# EAGLE board Mk4 Final Panel 8up 2x4 (EAGLE 9.0.1), part 22 of 23
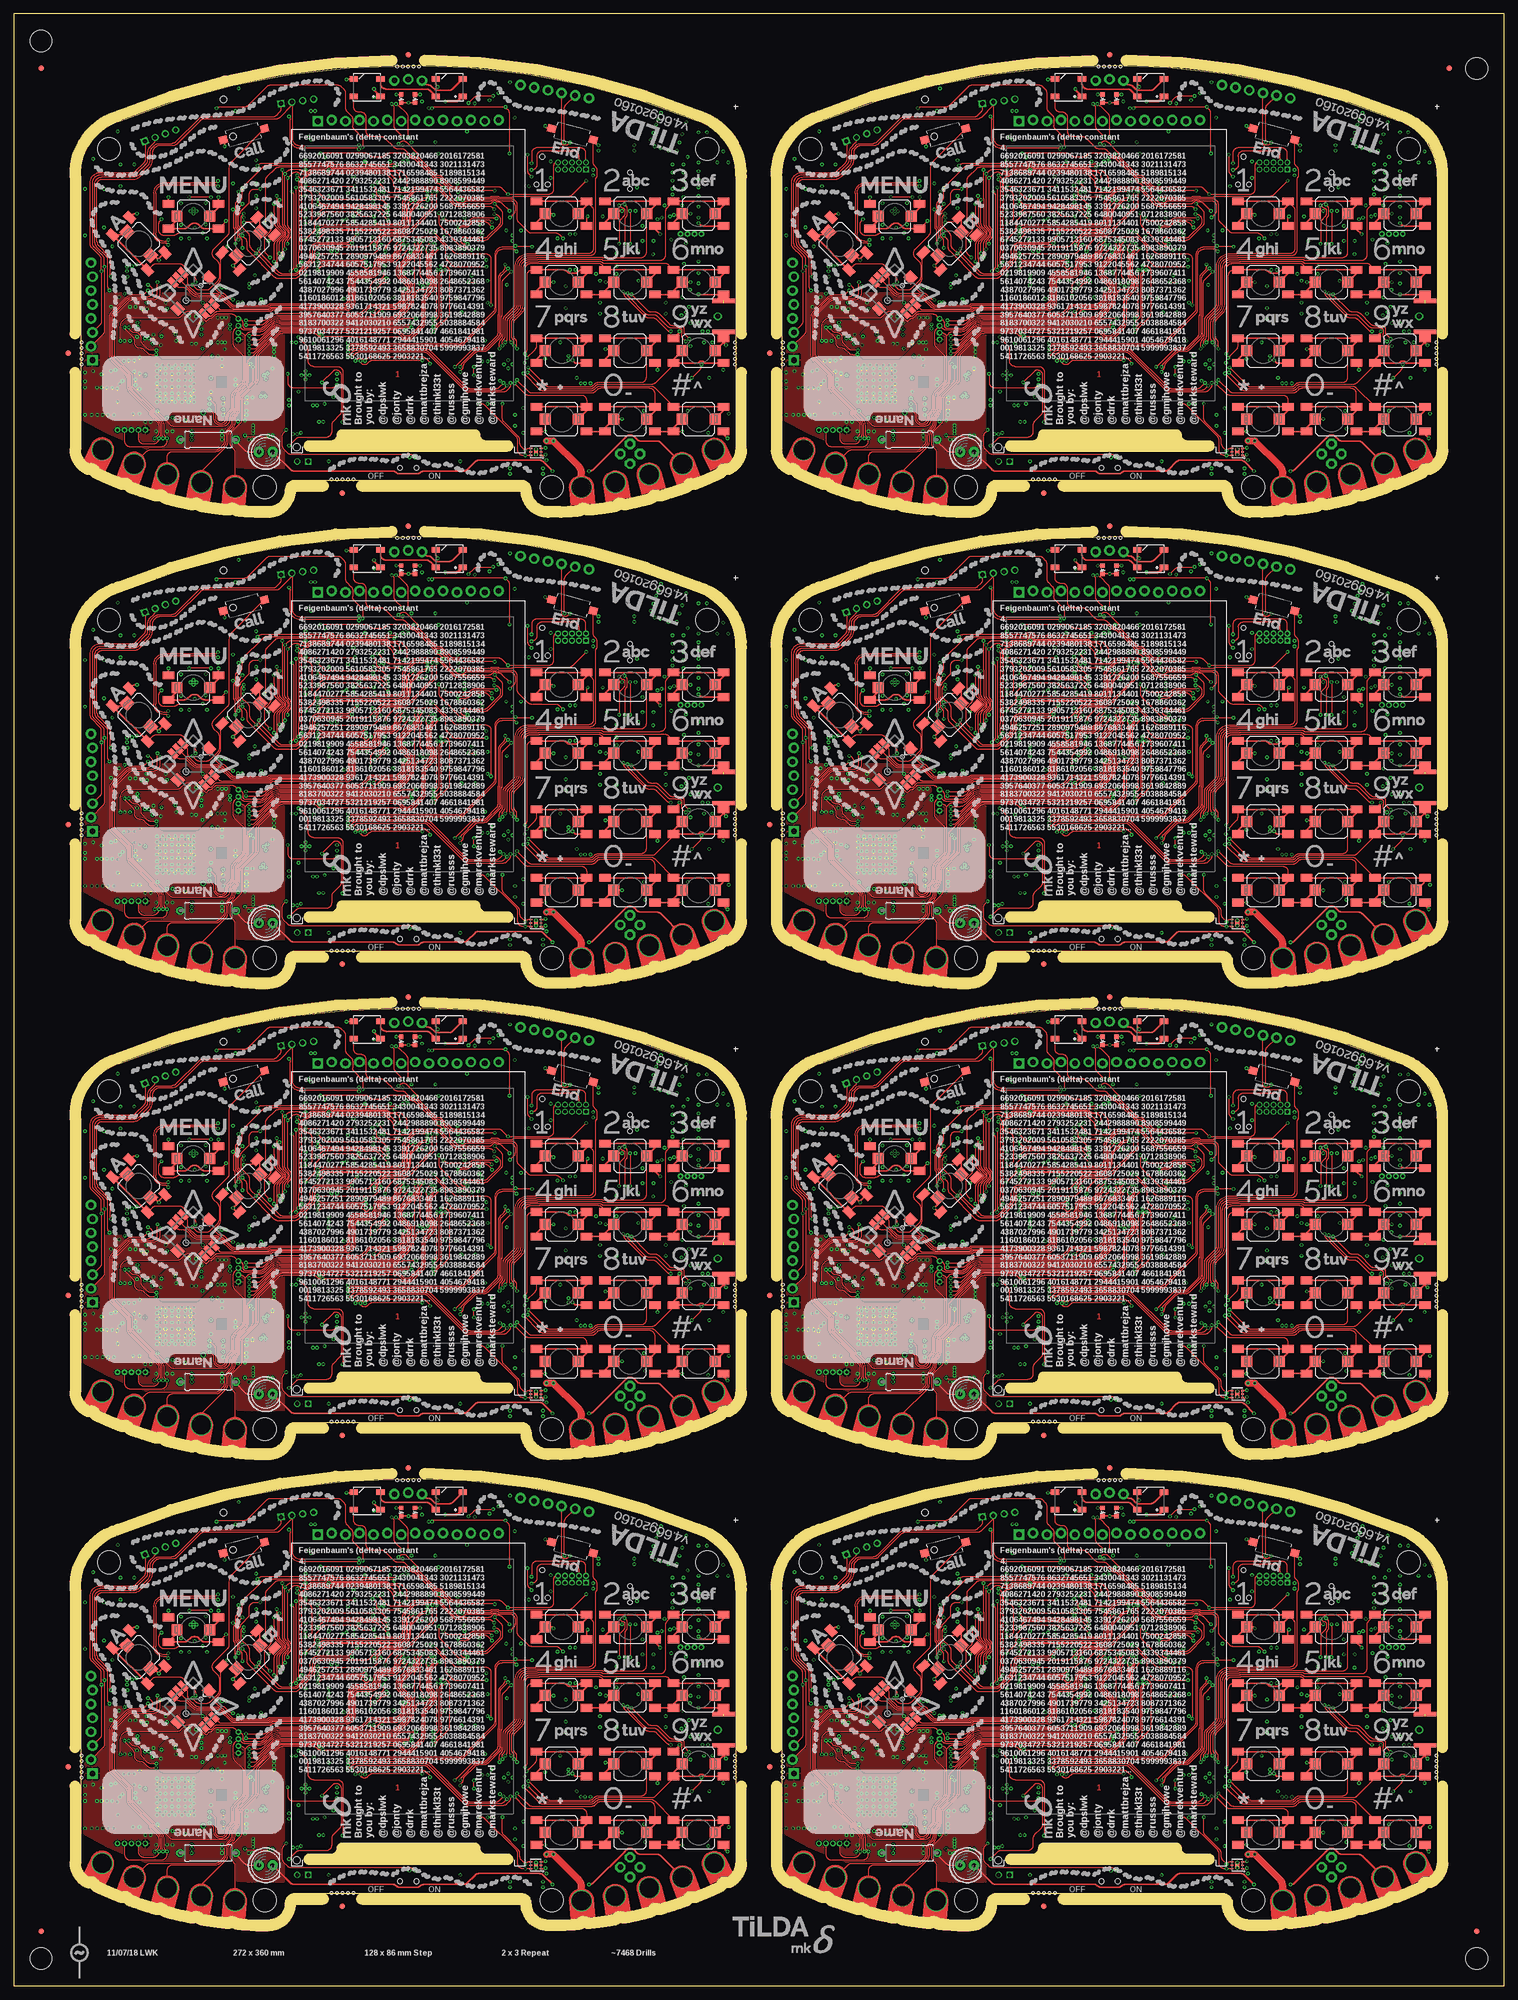
[diagram p0: board, top side]
## Tracks (layer width: path | path; a pad name or v marks a point on that pad's centre or on a via) (continued)
UART4_EXT_RX7  (via drill 0.3) (continued)
  Bottom 0.15: v199.4,309.7 199.32,309.78 arc-45 199.18,310.13 199.18,311.37 arc45 199.03,311.72 198.85,311.9 arc-45 198.7,312.26 198.7,313.26 arc-45 198.99,313.97 199.11,314.08 arc45 199.4,314.79 IC128.18 | v170.4,303.2 arc-45 170.91,302.99 171.71,302.19 arc-45 172,301.49 172,296.21 arc-45 v171.71,295.51 v171.7,295.5 | v148.7,313 160.41,313 arc-45 161.12,312.71 162.71,311.11 arc45 163.95,310.6 166.9,310.6 arc-90 167.9,309.6 167.9,309.03 arc45 168.03,308.73 168.63,308.12 arc-45 v168.95,307.35
  Bottom 0.3: J76.5 J76.1
UART4_EXT_TX  (via drill 0.3)
  Top 0.15: PCB.CH4 24.29,22.11 arc-45 25,22.4 36.86,22.4 arc45 37.57,22.69 38.26,23.38 arc45 38.55,24.09 38.55,24.95 arc-45 39.06,26.19 39.51,26.63 arc45 39.8,27.34 39.8,27.88 arc-45 40.24,28.94 arc45 40.7,30.05 40.7,31.57 arc-45 41.21,32.81 42.39,33.99 arc45 42.9,35.23 42.9,37.39 arc-45 v43.19,38.09 v43.2,38.1 | v70.65,51.7 70.75,51.6 arc-45 70.9,51.24 70.9,50.39 arc-45 70.61,49.68 70.22,49.29 arc-45 69.51,49 65.57,49 arc45 64.68,48.63 63.64,47.59 arc-45 62.94,47.3 48.74,47.3 arc45 46.19,46.3 46.18,46.29 arc-45 45.47,46 v42.4,46
  Top 0.2: J10.2 25.81,79.03 arc-45 25.52,78.32 24.94,77.74 arc45 24.5,76.68 24.5,75.42 arc-45 24.13,74.53 22.57,72.97 arc-45 21.68,72.6 15.9,72.6 arc90 14.4,71.1 14.4,60.06 arc45 14.69,59.36 16.26,57.79 arc-45 16.55,57.09 v16.55,55.8 16.55,44.13 arc-45 16.26,43.42 JP6.2
  3V3@2 0.15: v20.7,55.8 v16.55,55.8 | v41.7,49.35 41.7,47.3 42.4,46.6 v42.4,46
  Bottom 0.15: v70.65,51.7 70.73,51.78 arc45 70.88,52.13 70.88,53.22 arc45 70.73,53.57 70.5,53.8 arc-45 70.35,54.16 70.35,55.34 arc-45 70.64,56.04 70.85,56.25 arc45 71,56.61 IC1.19 | v43.2,38.1 43.41,38.31 arc45 43.7,39.01 43.7,43.29 arc45 43.41,43.99 43.09,44.31 arc45 42.39,44.6 42.3,44.6 arc-90 41.8,45.1 41.8,45.5 arc-90 42.3,46 v42.4,46 | v20.7,55.8 20.91,55.59 arc45 21.61,55.3 32.43,55.3 arc-45 33.32,54.93 34.91,53.34 arc45 35.97,52.9 38.95,52.9 arc-90 40.2,51.65 40.2,51.2 arc45 40.36,50.82 41.61,49.56 arc-45 v41.7,49.35
  Bottom 0.3: J10.6 J10.2
UART4_EXT_TX1  (via drill 0.3)
  Top 0.15: PCB1.CH4 152.29,22.11 arc-45 153,22.4 164.86,22.4 arc45 165.57,22.69 166.26,23.38 arc45 166.55,24.09 166.55,24.95 arc-45 167.06,26.19 167.51,26.63 arc45 167.8,27.34 167.8,27.88 arc-45 168.24,28.94 arc45 168.7,30.05 168.7,31.57 arc-45 169.21,32.81 170.39,33.99 arc45 170.9,35.23 170.9,37.39 arc-45 v171.19,38.09 v171.2,38.1 | v198.65,51.7 198.75,51.6 arc-45 198.9,51.24 198.9,50.39 arc-45 198.61,49.68 198.22,49.29 arc-45 197.51,49 193.57,49 arc45 192.68,48.63 191.64,47.59 arc-45 190.94,47.3 176.74,47.3 arc45 174.19,46.3 174.18,46.29 arc-45 173.47,46 v170.4,46
  Top 0.2: J16.2 153.81,79.03 arc-45 153.52,78.32 152.94,77.74 arc45 152.5,76.68 152.5,75.42 arc-45 152.13,74.53 150.57,72.97 arc-45 149.68,72.6 143.9,72.6 arc90 142.4,71.1 142.4,60.06 arc45 142.69,59.36 144.26,57.79 arc-45 144.55,57.09 v144.55,55.8 144.55,44.13 arc-45 144.26,43.42 JP17.2
  3V3@2 0.15: v148.7,55.8 v144.55,55.8 | v169.7,49.35 169.7,47.3 170.4,46.6 v170.4,46
  Bottom 0.15: v198.65,51.7 198.73,51.78 arc45 198.88,52.13 198.88,53.22 arc45 198.73,53.57 198.5,53.8 arc-45 198.35,54.16 198.35,55.34 arc-45 198.64,56.04 198.85,56.25 arc45 199,56.61 IC20.19 | v171.2,38.1 171.41,38.31 arc45 171.7,39.01 171.7,43.29 arc45 171.41,43.99 171.09,44.31 arc45 170.39,44.6 170.3,44.6 arc-90 169.8,45.1 169.8,45.5 arc-90 170.3,46 v170.4,46 | v148.7,55.8 148.91,55.59 arc45 149.61,55.3 160.43,55.3 arc-45 161.32,54.93 162.91,53.34 arc45 163.97,52.9 166.95,52.9 arc-90 168.2,51.65 168.2,51.2 arc45 168.36,50.82 169.61,49.56 arc-45 v169.7,49.35
  Bottom 0.3: J16.6 J16.2
UART4_EXT_TX2  (via drill 0.3)
  Top 0.15: PCB2.CH4 24.29,108.11 arc-45 25,108.4 36.86,108.4 arc45 37.57,108.69 38.26,109.38 arc45 38.55,110.09 38.55,110.95 arc-45 39.06,112.19 39.51,112.63 arc45 39.8,113.34 39.8,113.88 arc-45 40.24,114.94 arc45 40.7,116.05 40.7,117.58 arc-45 41.21,118.81 42.39,119.99 arc45 42.9,121.22 42.9,123.39 arc-45 v43.19,124.09 v43.2,124.1 | v70.65,137.7 70.75,137.6 arc-45 70.9,137.24 70.9,136.39 arc-45 70.61,135.68 70.22,135.29 arc-45 69.51,135 65.57,135 arc45 64.68,134.63 63.64,133.59 arc-45 62.94,133.3 48.74,133.3 arc45 46.19,132.3 46.18,132.29 arc-45 45.47,132 v42.4,132
  Top 0.2: J26.2 25.81,165.03 arc-45 25.52,164.32 24.94,163.74 arc45 24.5,162.68 24.5,161.42 arc-45 24.13,160.53 22.57,158.97 arc-45 21.68,158.6 15.9,158.6 arc90 14.4,157.1 14.4,146.06 arc45 14.69,145.36 16.26,143.79 arc-45 16.55,143.09 v16.55,141.8 16.55,130.13 arc-45 16.26,129.42 JP26.2
  3V3@2 0.15: v20.7,141.8 v16.55,141.8 | v41.7,135.35 41.7,133.3 42.4,132.6 v42.4,132
  Bottom 0.15: v70.65,137.7 70.73,137.78 arc45 70.88,138.13 70.88,139.22 arc45 70.73,139.57 70.5,139.8 arc-45 70.35,140.16 70.35,141.34 arc-45 70.64,142.04 70.85,142.25 arc45 71,142.61 IC38.19 | v43.2,124.1 43.41,124.31 arc45 43.7,125.01 43.7,129.29 arc45 43.41,129.99 43.09,130.31 arc45 42.39,130.6 42.3,130.6 arc-90 41.8,131.1 41.8,131.5 arc-90 42.3,132 v42.4,132 | v20.7,141.8 20.91,141.59 arc45 21.61,141.3 32.43,141.3 arc-45 33.32,140.93 34.91,139.34 arc45 35.97,138.9 38.95,138.9 arc-90 40.2,137.65 40.2,137.2 arc45 40.36,136.82 41.61,135.56 arc-45 v41.7,135.35
  Bottom 0.3: J26.6 J26.2
UART4_EXT_TX3  (via drill 0.3)
  Top 0.15: PCB3.CH4 152.29,108.11 arc-45 153,108.4 164.86,108.4 arc45 165.57,108.69 166.26,109.38 arc45 166.55,110.09 166.55,110.95 arc-45 167.06,112.19 167.51,112.63 arc45 167.8,113.34 167.8,113.88 arc-45 168.24,114.94 arc45 168.7,116.05 168.7,117.58 arc-45 169.21,118.81 170.39,119.99 arc45 170.9,121.22 170.9,123.39 arc-45 v171.19,124.09 v171.2,124.1 | v198.65,137.7 198.75,137.6 arc-45 198.9,137.24 198.9,136.39 arc-45 198.61,135.68 198.22,135.29 arc-45 197.51,135 193.57,135 arc45 192.68,134.63 191.64,133.59 arc-45 190.94,133.3 176.74,133.3 arc45 174.19,132.3 174.18,132.29 arc-45 173.47,132 v170.4,132
  Top 0.2: J36.2 153.81,165.03 arc-45 153.52,164.32 152.94,163.74 arc45 152.5,162.68 152.5,161.42 arc-45 152.13,160.53 150.57,158.97 arc-45 149.68,158.6 143.9,158.6 arc90 142.4,157.1 142.4,146.06 arc45 142.69,145.36 144.26,143.79 arc-45 144.55,143.09 v144.55,141.8 144.55,130.13 arc-45 144.26,129.42 JP35.2
  3V3@2 0.15: v148.7,141.8 v144.55,141.8 | v169.7,135.35 169.7,133.3 170.4,132.6 v170.4,132
  Bottom 0.15: v198.65,137.7 198.73,137.78 arc45 198.88,138.13 198.88,139.22 arc45 198.73,139.57 198.5,139.8 arc-45 198.35,140.16 198.35,141.34 arc-45 198.64,142.04 198.85,142.25 arc45 199,142.61 IC56.19 | v171.2,124.1 171.41,124.31 arc45 171.7,125.01 171.7,129.29 arc45 171.41,129.99 171.09,130.31 arc45 170.39,130.6 170.3,130.6 arc-90 169.8,131.1 169.8,131.5 arc-90 170.3,132 v170.4,132 | v148.7,141.8 148.91,141.59 arc45 149.61,141.3 160.43,141.3 arc-45 161.32,140.93 162.91,139.34 arc45 163.97,138.9 166.95,138.9 arc-90 168.2,137.65 168.2,137.2 arc45 168.36,136.82 169.61,135.56 arc-45 v169.7,135.35
  Bottom 0.3: J36.6 J36.2
UART4_EXT_TX4  (via drill 0.3)
  Top 0.15: PCB4.CH4 24.29,194.11 arc-45 25,194.4 36.86,194.4 arc45 37.57,194.69 38.26,195.38 arc45 38.55,196.09 38.55,196.95 arc-45 39.06,198.19 39.51,198.63 arc45 39.8,199.34 39.8,199.88 arc-45 40.24,200.94 arc45 40.7,202.05 40.7,203.57 arc-45 41.21,204.81 42.39,205.99 arc45 42.9,207.22 42.9,209.39 arc-45 v43.19,210.09 v43.2,210.1 | v70.65,223.7 70.75,223.6 arc-45 70.9,223.24 70.9,222.39 arc-45 70.61,221.68 70.22,221.29 arc-45 69.51,221 65.57,221 arc45 64.68,220.63 63.64,219.59 arc-45 62.94,219.3 48.74,219.3 arc45 46.19,218.3 46.18,218.29 arc-45 45.47,218 v42.4,218
  Top 0.2: J46.2 25.81,251.03 arc-45 25.52,250.32 24.94,249.74 arc45 24.5,248.68 24.5,247.42 arc-45 24.13,246.53 22.57,244.97 arc-45 21.68,244.6 15.9,244.6 arc90 14.4,243.1 14.4,232.06 arc45 14.69,231.36 16.26,229.79 arc-45 16.55,229.09 v16.55,227.8 16.55,216.13 arc-45 16.26,215.42 JP44.2
  3V3@2 0.15: v20.7,227.8 v16.55,227.8 | v41.7,221.35 41.7,219.3 42.4,218.6 v42.4,218
  Bottom 0.15: v70.65,223.7 70.73,223.78 arc45 70.88,224.13 70.88,225.22 arc45 70.73,225.57 70.5,225.8 arc-45 70.35,226.16 70.35,227.34 arc-45 70.64,228.04 70.85,228.25 arc45 71,228.61 IC74.19 | v43.2,210.1 43.41,210.31 arc45 43.7,211.01 43.7,215.29 arc45 43.41,215.99 43.09,216.31 arc45 42.39,216.6 42.3,216.6 arc-90 41.8,217.1 41.8,217.5 arc-90 42.3,218 v42.4,218 | v20.7,227.8 20.91,227.59 arc45 21.61,227.3 32.43,227.3 arc-45 33.32,226.93 34.91,225.34 arc45 35.97,224.9 38.95,224.9 arc-90 40.2,223.65 40.2,223.2 arc45 40.36,222.82 41.61,221.56 arc-45 v41.7,221.35
  Bottom 0.3: J46.6 J46.2
UART4_EXT_TX5  (via drill 0.3)
  Top 0.15: PCB5.CH4 152.29,194.11 arc-45 153,194.4 164.86,194.4 arc45 165.57,194.69 166.26,195.38 arc45 166.55,196.09 166.55,196.95 arc-45 167.06,198.19 167.51,198.63 arc45 167.8,199.34 167.8,199.88 arc-45 168.24,200.94 arc45 168.7,202.05 168.7,203.57 arc-45 169.21,204.81 170.39,205.99 arc45 170.9,207.22 170.9,209.39 arc-45 v171.19,210.09 v171.2,210.1 | v198.65,223.7 198.75,223.6 arc-45 198.9,223.24 198.9,222.39 arc-45 198.61,221.68 198.22,221.29 arc-45 197.51,221 193.57,221 arc45 192.68,220.63 191.64,219.59 arc-45 190.94,219.3 176.74,219.3 arc45 174.19,218.3 174.18,218.29 arc-45 173.47,218 v170.4,218
  Top 0.2: J56.2 153.81,251.03 arc-45 153.52,250.32 152.94,249.74 arc45 152.5,248.68 152.5,247.42 arc-45 152.13,246.53 150.57,244.97 arc-45 149.68,244.6 143.9,244.6 arc90 142.4,243.1 142.4,232.06 arc45 142.69,231.36 144.26,229.79 arc-45 144.55,229.09 v144.55,227.8 144.55,216.13 arc-45 144.26,215.42 JP53.2
  3V3@2 0.15: v148.7,227.8 v144.55,227.8 | v169.7,221.35 169.7,219.3 170.4,218.6 v170.4,218
  Bottom 0.15: v198.65,223.7 198.73,223.78 arc45 198.88,224.13 198.88,225.22 arc45 198.73,225.57 198.5,225.8 arc-45 198.35,226.16 198.35,227.34 arc-45 198.64,228.04 198.85,228.25 arc45 199,228.61 IC92.19 | v171.2,210.1 171.41,210.31 arc45 171.7,211.01 171.7,215.29 arc45 171.41,215.99 171.09,216.31 arc45 170.39,216.6 170.3,216.6 arc-90 169.8,217.1 169.8,217.5 arc-90 170.3,218 v170.4,218 | v148.7,227.8 148.91,227.59 arc45 149.61,227.3 160.43,227.3 arc-45 161.32,226.93 162.91,225.34 arc45 163.97,224.9 166.95,224.9 arc-90 168.2,223.65 168.2,223.2 arc45 168.36,222.82 169.61,221.56 arc-45 v169.7,221.35
  Bottom 0.3: J56.6 J56.2
UART4_EXT_TX6  (via drill 0.3)
  Top 0.15: PCB6.CH4 24.29,280.11 arc-45 25,280.4 36.86,280.4 arc45 37.57,280.69 38.26,281.38 arc45 38.55,282.09 38.55,282.95 arc-45 39.06,284.19 39.51,284.63 arc45 39.8,285.34 39.8,285.88 arc-45 40.24,286.94 arc45 40.7,288.05 40.7,289.57 arc-45 41.21,290.81 42.39,291.99 arc45 42.9,293.23 42.9,295.39 arc-45 v43.19,296.09 v43.2,296.1 | v70.65,309.7 70.75,309.6 arc-45 70.9,309.24 70.9,308.39 arc-45 70.61,307.68 70.22,307.29 arc-45 69.51,307 65.57,307 arc45 64.68,306.63 63.64,305.59 arc-45 62.94,305.3 48.74,305.3 arc45 46.19,304.3 46.18,304.29 arc-45 45.47,304 v42.4,304
  Top 0.2: J66.2 25.81,337.02 arc-45 25.52,336.32 24.94,335.74 arc45 24.5,334.68 24.5,333.42 arc-45 24.13,332.53 22.57,330.97 arc-45 21.68,330.6 15.9,330.6 arc90 14.4,329.1 14.4,318.06 arc45 14.69,317.36 16.26,315.79 arc-45 16.55,315.09 v16.55,313.8 16.55,302.13 arc-45 16.26,301.42 JP62.2
  3V3@2 0.15: v20.7,313.8 v16.55,313.8 | v41.7,307.35 41.7,305.3 42.4,304.6 v42.4,304
  Bottom 0.15: v70.65,309.7 70.73,309.78 arc45 70.88,310.13 70.88,311.22 arc45 70.73,311.57 70.5,311.8 arc-45 70.35,312.16 70.35,313.34 arc-45 70.64,314.04 70.85,314.25 arc45 71,314.61 IC110.19 | v43.2,296.1 43.41,296.31 arc45 43.7,297.01 43.7,301.29 arc45 43.41,301.99 43.09,302.31 arc45 42.39,302.6 42.3,302.6 arc-90 41.8,303.1 41.8,303.5 arc-90 42.3,304 v42.4,304 | v20.7,313.8 20.91,313.59 arc45 21.61,313.3 32.43,313.3 arc-45 33.32,312.93 34.91,311.34 arc45 35.97,310.9 38.95,310.9 arc-90 40.2,309.65 40.2,309.2 arc45 40.36,308.82 41.61,307.56 arc-45 v41.7,307.35
  Bottom 0.3: J66.6 J66.2
UART4_EXT_TX7  (via drill 0.3)
  Top 0.15: PCB7.CH4 152.29,280.11 arc-45 153,280.4 164.86,280.4 arc45 165.57,280.69 166.26,281.38 arc45 166.55,282.09 166.55,282.95 arc-45 167.06,284.19 167.51,284.63 arc45 167.8,285.34 167.8,285.88 arc-45 168.24,286.94 arc45 168.7,288.05 168.7,289.57 arc-45 169.21,290.81 170.39,291.99 arc45 170.9,293.23 170.9,295.39 arc-45 v171.19,296.09 v171.2,296.1 | v198.65,309.7 198.75,309.6 arc-45 198.9,309.24 198.9,308.39 arc-45 198.61,307.68 198.22,307.29 arc-45 197.51,307 193.57,307 arc45 192.68,306.63 191.64,305.59 arc-45 190.94,305.3 176.74,305.3 arc45 174.19,304.3 174.18,304.29 arc-45 173.47,304 v170.4,304
  Top 0.2: J76.2 153.81,337.02 arc-45 153.52,336.32 152.94,335.74 arc45 152.5,334.68 152.5,333.42 arc-45 152.13,332.53 150.57,330.97 arc-45 149.68,330.6 143.9,330.6 arc90 142.4,329.1 142.4,318.06 arc45 142.69,317.36 144.26,315.79 arc-45 144.55,315.09 v144.55,313.8 144.55,302.13 arc-45 144.26,301.42 JP71.2
  3V3@2 0.15: v148.7,313.8 v144.55,313.8 | v169.7,307.35 169.7,305.3 170.4,304.6 v170.4,304
  Bottom 0.15: v198.65,309.7 198.73,309.78 arc45 198.88,310.13 198.88,311.22 arc45 198.73,311.57 198.5,311.8 arc-45 198.35,312.16 198.35,313.34 arc-45 198.64,314.04 198.85,314.25 arc45 199,314.61 IC128.19 | v171.2,296.1 171.41,296.31 arc45 171.7,297.01 171.7,301.29 arc45 171.41,301.99 171.09,302.31 arc45 170.39,302.6 170.3,302.6 arc-90 169.8,303.1 169.8,303.5 arc-90 170.3,304 v170.4,304 | v148.7,313.8 148.91,313.59 arc45 149.61,313.3 160.43,313.3 arc-45 161.32,312.93 162.91,311.34 arc45 163.97,310.9 166.95,310.9 arc-90 168.2,309.65 168.2,309.2 arc45 168.36,308.82 169.61,307.56 arc-45 v169.7,307.35
  Bottom 0.3: J76.6 J76.2
USB_D_N
  Bottom 0.2: IC7.1 87.75,85
  Bottom 0.25: 87.75,85 88.26,84.49 arc45 88.96,84.2 89.64,84.2 arc45 90.34,84.49 90.95,85.1 91.15,85.1 | IC1.93 77,74.2 arc-90 78.8,76 86.65,76 arc90 87.65,77 87.65,78.85 arc-90 89.5,80.7 91.5,80.7 arc90 92.8,82 92.8,83.75 arc90 91.4,85.15 91.2,85.15 | U1.D- 81.55,86.25 81.6,86.2 81.6,85.53 arc45 81.89,84.82 82.12,84.59 arc45 82.83,84.3 85.07,84.3 arc45 85.78,84.59 85.99,84.81 arc-45 86.7,85.1 87,85.1 87.1,85 IC7.1 | 91.2,85.15 91.15,85.1 | 91.2,85.15 arc90 91.15,85.1
USB_D_N1
  Bottom 0.2: IC23.1 215.75,85
  Bottom 0.25: 215.75,85 216.26,84.49 arc45 216.96,84.2 217.64,84.2 arc45 218.34,84.49 218.95,85.1 219.15,85.1 | IC20.93 205,74.2 arc-90 206.8,76 214.65,76 arc90 215.65,77 215.65,78.85 arc-90 217.5,80.7 219.5,80.7 arc90 220.8,82 220.8,83.75 arc90 219.4,85.15 219.2,85.15 | U2.D- 209.55,86.25 209.6,86.2 209.6,85.53 arc45 209.89,84.82 210.12,84.59 arc45 210.83,84.3 213.07,84.3 arc45 213.78,84.59 213.99,84.81 arc-45 214.7,85.1 215,85.1 215.1,85 IC23.1 | 219.2,85.15 219.15,85.1 | 219.2,85.15 arc90 219.15,85.1
USB_D_N2
  Bottom 0.2: IC41.1 87.75,171
  Bottom 0.25: 87.75,171 88.26,170.49 arc45 88.96,170.2 89.64,170.2 arc45 90.34,170.49 90.95,171.1 91.15,171.1 | IC38.93 77,160.2 arc-90 78.8,162 86.65,162 arc90 87.65,163 87.65,164.85 arc-90 89.5,166.7 91.5,166.7 arc90 92.8,168 92.8,169.75 arc90 91.4,171.15 91.2,171.15 | U7.D- 81.55,172.25 81.6,172.2 81.6,171.53 arc45 81.89,170.82 82.12,170.59 arc45 82.83,170.3 85.07,170.3 arc45 85.78,170.59 85.99,170.81 arc-45 86.7,171.1 87,171.1 87.1,171 IC41.1 | 91.2,171.15 91.15,171.1 | 91.2,171.15 arc90 91.15,171.1
USB_D_N3
  Bottom 0.2: IC59.1 215.75,171
  Bottom 0.25: 215.75,171 216.26,170.49 arc45 216.96,170.2 217.64,170.2 arc45 218.34,170.49 218.95,171.1 219.15,171.1 | IC56.93 205,160.2 arc-90 206.8,162 214.65,162 arc90 215.65,163 215.65,164.85 arc-90 217.5,166.7 219.5,166.7 arc90 220.8,168 220.8,169.75 arc90 219.4,171.15 219.2,171.15 | U10.D- 209.55,172.25 209.6,172.2 209.6,171.53 arc45 209.89,170.82 210.12,170.59 arc45 210.83,170.3 213.07,170.3 arc45 213.78,170.59 213.99,170.81 arc-45 214.7,171.1 215,171.1 215.1,171 IC59.1 | 219.2,171.15 219.15,171.1 | 219.2,171.15 arc90 219.15,171.1
USB_D_N4
  Bottom 0.2: IC77.1 87.75,257
  Bottom 0.25: 87.75,257 88.26,256.49 arc45 88.96,256.2 89.64,256.2 arc45 90.34,256.49 90.95,257.1 91.15,257.1 | IC74.93 77,246.2 arc-90 78.8,248 86.65,248 arc90 87.65,249 87.65,250.85 arc-90 89.5,252.7 91.5,252.7 arc90 92.8,254 92.8,255.75 arc90 91.4,257.15 91.2,257.15 | U13.D- 81.55,258.25 81.6,258.2 81.6,257.53 arc45 81.89,256.82 82.12,256.59 arc45 82.83,256.3 85.07,256.3 arc45 85.78,256.59 85.99,256.81 arc-45 86.7,257.1 87,257.1 87.1,257 IC77.1 | 91.2,257.15 91.15,257.1 | 91.2,257.15 arc90 91.15,257.1
USB_D_N5
  Bottom 0.2: IC95.1 215.75,257
  Bottom 0.25: 215.75,257 216.26,256.49 arc45 216.96,256.2 217.64,256.2 arc45 218.34,256.49 218.95,257.1 219.15,257.1 | IC92.93 205,246.2 arc-90 206.8,248 214.65,248 arc90 215.65,249 215.65,250.85 arc-90 217.5,252.7 219.5,252.7 arc90 220.8,254 220.8,255.75 arc90 219.4,257.15 219.2,257.15 | U16.D- 209.55,258.25 209.6,258.2 209.6,257.53 arc45 209.89,256.82 210.12,256.59 arc45 210.83,256.3 213.07,256.3 arc45 213.78,256.59 213.99,256.81 arc-45 214.7,257.1 215,257.1 215.1,257 IC95.1 | 219.2,257.15 219.15,257.1 | 219.2,257.15 arc90 219.15,257.1
USB_D_N6
  Bottom 0.2: IC113.1 87.75,343
  Bottom 0.25: 87.75,343 88.26,342.49 arc45 88.96,342.2 89.64,342.2 arc45 90.34,342.49 90.95,343.1 91.15,343.1 | IC110.93 77,332.2 arc-90 78.8,334 86.65,334 arc90 87.65,335 87.65,336.85 arc-90 89.5,338.7 91.5,338.7 arc90 92.8,340 92.8,341.75 arc90 91.4,343.15 91.2,343.15 | U19.D- 81.55,344.25 81.6,344.2 81.6,343.53 arc45 81.89,342.82 82.12,342.59 arc45 82.83,342.3 85.07,342.3 arc45 85.78,342.59 85.99,342.81 arc-45 86.7,343.1 87,343.1 87.1,343 IC113.1 | 91.2,343.15 91.15,343.1 | 91.2,343.15 arc90 91.15,343.1
USB_D_N7
  Bottom 0.2: IC131.1 215.75,343
  Bottom 0.25: 215.75,343 216.26,342.49 arc45 216.96,342.2 217.64,342.2 arc45 218.34,342.49 218.95,343.1 219.15,343.1 | IC128.93 205,332.2 arc-90 206.8,334 214.65,334 arc90 215.65,335 215.65,336.85 arc-90 217.5,338.7 219.5,338.7 arc90 220.8,340 220.8,341.75 arc90 219.4,343.15 219.2,343.15 | U22.D- 209.55,344.25 209.6,344.2 209.6,343.53 arc45 209.89,342.82 210.12,342.59 arc45 210.83,342.3 213.07,342.3 arc45 213.78,342.59 213.99,342.81 arc-45 214.7,343.1 215,343.1 215.1,343 IC131.1 | 219.2,343.15 219.15,343.1 | 219.2,343.15 arc90 219.15,343.1
USB_D_P
  Bottom 0.2: IC7.2 89.35,85.5 89.5,85.65
  Bottom 0.25: 89.5,85.65 91.1,85.65 91.2,85.55 91.4,85.55 arc-90 93.2,83.75 93.2,82 arc-90 91.5,80.3 89.5,80.3 arc90 88.05,78.85 88.05,77 arc-90 86.65,75.6 78.8,75.6 arc90 77.4,74.2 IC1.94 | U1.D+ 82.2,86.4 82,86.2 82,85.69 arc45 82.29,84.99 arc45 83,84.7 84.9,84.7 arc45 85.61,84.99 85.82,85.21 arc-45 86.53,85.5 IC7.2
USB_D_P1
  Bottom 0.2: IC23.2 217.35,85.5 217.5,85.65
  Bottom 0.25: 217.5,85.65 219.1,85.65 219.2,85.55 219.4,85.55 arc-90 221.2,83.75 221.2,82 arc-90 219.5,80.3 217.5,80.3 arc90 216.05,78.85 216.05,77 arc-90 214.65,75.6 206.8,75.6 arc90 205.4,74.2 IC20.94 | U2.D+ 210.2,86.4 210,86.2 210,85.69 arc45 210.29,84.99 arc45 211,84.7 212.9,84.7 arc45 213.61,84.99 213.82,85.21 arc-45 214.53,85.5 IC23.2
USB_D_P2
  Bottom 0.2: IC41.2 89.35,171.5 89.5,171.65
  Bottom 0.25: 89.5,171.65 91.1,171.65 91.2,171.55 91.4,171.55 arc-90 93.2,169.75 93.2,168 arc-90 91.5,166.3 89.5,166.3 arc90 88.05,164.85 88.05,163 arc-90 86.65,161.6 78.8,161.6 arc90 77.4,160.2 IC38.94 | U7.D+ 82.2,172.4 82,172.2 82,171.69 arc45 82.29,170.99 arc45 83,170.7 84.9,170.7 arc45 85.61,170.99 85.82,171.21 arc-45 86.53,171.5 IC41.2
USB_D_P3
  Bottom 0.2: IC59.2 217.35,171.5 217.5,171.65
  Bottom 0.25: 217.5,171.65 219.1,171.65 219.2,171.55 219.4,171.55 arc-90 221.2,169.75 221.2,168 arc-90 219.5,166.3 217.5,166.3 arc90 216.05,164.85 216.05,163 arc-90 214.65,161.6 206.8,161.6 arc90 205.4,160.2 IC56.94 | U10.D+ 210.2,172.4 210,172.2 210,171.69 arc45 210.29,170.99 arc45 211,170.7 212.9,170.7 arc45 213.61,170.99 213.82,171.21 arc-45 214.53,171.5 IC59.2
USB_D_P4
  Bottom 0.2: IC77.2 89.35,257.5 89.5,257.65
  Bottom 0.25: 89.5,257.65 91.1,257.65 91.2,257.55 91.4,257.55 arc-90 93.2,255.75 93.2,254 arc-90 91.5,252.3 89.5,252.3 arc90 88.05,250.85 88.05,249 arc-90 86.65,247.6 78.8,247.6 arc90 77.4,246.2 IC74.94 | U13.D+ 82.2,258.4 82,258.2 82,257.69 arc45 82.29,256.99 arc45 83,256.7 84.9,256.7 arc45 85.61,256.99 85.82,257.21 arc-45 86.53,257.5 IC77.2
USB_D_P5
  Bottom 0.2: IC95.2 217.35,257.5 217.5,257.65
  Bottom 0.25: 217.5,257.65 219.1,257.65 219.2,257.55 219.4,257.55 arc-90 221.2,255.75 221.2,254 arc-90 219.5,252.3 217.5,252.3 arc90 216.05,250.85 216.05,249 arc-90 214.65,247.6 206.8,247.6 arc90 205.4,246.2 IC92.94 | U16.D+ 210.2,258.4 210,258.2 210,257.69 arc45 210.29,256.99 arc45 211,256.7 212.9,256.7 arc45 213.61,256.99 213.82,257.21 arc-45 214.53,257.5 IC95.2
USB_D_P6
  Bottom 0.2: IC113.2 89.35,343.5 89.5,343.65
  Bottom 0.25: 89.5,343.65 91.1,343.65 91.2,343.55 91.4,343.55 arc-90 93.2,341.75 93.2,340 arc-90 91.5,338.3 89.5,338.3 arc90 88.05,336.85 88.05,335 arc-90 86.65,333.6 78.8,333.6 arc90 77.4,332.2 IC110.94 | U19.D+ 82.2,344.4 82,344.2 82,343.69 arc45 82.29,342.99 arc45 83,342.7 84.9,342.7 arc45 85.61,342.99 85.82,343.21 arc-45 86.53,343.5 IC113.2
USB_D_P7
  Bottom 0.2: IC131.2 217.35,343.5 217.5,343.65
  Bottom 0.25: 217.5,343.65 219.1,343.65 219.2,343.55 219.4,343.55 arc-90 221.2,341.75 221.2,340 arc-90 219.5,338.3 217.5,338.3 arc90 216.05,336.85 216.05,335 arc-90 214.65,333.6 206.8,333.6 arc90 205.4,332.2 IC128.94 | U22.D+ 210.2,344.4 210,344.2 210,343.69 arc45 210.29,342.99 arc45 211,342.7 212.9,342.7 arc45 213.61,342.99 213.82,343.21 arc-45 214.53,343.5 IC131.2
USB_ID
  Bottom 0.15: TP6.TP 90.46,87.54 arc-45 90.75,86.84 R8.2
USB_ID1
  Bottom 0.15: TP25.TP 218.46,87.54 arc-45 218.75,86.84 R92.2
USB_ID2
  Bottom 0.15: TP44.TP 90.46,173.54 arc-45 90.75,172.84 R170.2
USB_ID3
  Bottom 0.15: TP63.TP 218.46,173.54 arc-45 218.75,172.84 R248.2
USB_ID4
  Bottom 0.15: TP82.TP 90.46,259.54 arc-45 90.75,258.84 R326.2
USB_ID5
  Bottom 0.15: TP101.TP 218.46,259.54 arc-45 218.75,258.84 R404.2
USB_ID6
  Bottom 0.15: TP120.TP 90.46,345.54 arc-45 90.75,344.84 R482.2
USB_ID7
  Bottom 0.15: TP139.TP 218.46,345.54 arc-45 218.75,344.84 R560.2
USB_ID_R  (via drill 0.3)
  Top 0.15: v83,85.7 84.01,86.71 arc-45 84.71,87 v87.5,87
  Bottom 0.15: v87.5,87 87.65,87 88.65,86 IC7.4 89.42,86.5 R8.1 | U1.ID 82.85,85.85 v83,85.7
USB_ID_R1  (via drill 0.3)
  Top 0.15: v211,85.7 212.01,86.71 arc-45 212.71,87 v215.5,87
  Bottom 0.15: v215.5,87 215.65,87 216.65,86 IC23.4 217.43,86.5 R92.1 | U2.ID 210.85,85.85 v211,85.7
USB_ID_R2  (via drill 0.3)
  Top 0.15: v83,171.7 84.01,172.71 arc-45 84.71,173 v87.5,173
  Bottom 0.15: v87.5,173 87.65,173 88.65,172 IC41.4 89.42,172.5 R170.1 | U7.ID 82.85,171.85 v83,171.7
USB_ID_R3  (via drill 0.3)
  Top 0.15: v211,171.7 212.01,172.71 arc-45 212.71,173 v215.5,173
  Bottom 0.15: v215.5,173 215.65,173 216.65,172 IC59.4 217.43,172.5 R248.1 | U10.ID 210.85,171.85 v211,171.7
USB_ID_R4  (via drill 0.3)
  Top 0.15: v83,257.7 84.01,258.71 arc-45 84.71,259 v87.5,259
  Bottom 0.15: v87.5,259 87.65,259 88.65,258 IC77.4 89.42,258.5 R326.1 | U13.ID 82.85,257.85 v83,257.7
USB_ID_R5  (via drill 0.3)
  Top 0.15: v211,257.7 212.01,258.71 arc-45 212.71,259 v215.5,259
  Bottom 0.15: v215.5,259 215.65,259 216.65,258 IC95.4 217.43,258.5 R404.1 | U16.ID 210.85,257.85 v211,257.7
USB_ID_R6  (via drill 0.3)
  Top 0.15: v83,343.7 84.01,344.71 arc-45 84.71,345 v87.5,345
  Bottom 0.15: v87.5,345 87.65,345 88.65,344 IC113.4 89.42,344.5 R482.1 | U19.ID 82.85,343.85 v83,343.7
USB_ID_R7  (via drill 0.3)
  Top 0.15: v211,343.7 212.01,344.71 arc-45 212.71,345 v215.5,345
  Bottom 0.15: v215.5,345 215.65,345 216.65,344 IC131.4 217.43,344.5 R560.1 | U22.ID 210.85,343.85 v211,343.7
USB_SHIELD
  Bottom 0.3: U1.SHIELD@5 86.1,87.91 arc45 86.39,88.61 U1.SHIELD@2 | U1.SHIELD@2 83.84,89.72 U1.SHIELD@1 81.59,89.91 81.41,90.09 U1.SHIELD@0 80.96,90.28 U1.SHIELD@3 79.12,89.57 U1.SHIELD | R7.1 88.62,90.5 C20.2 87.04,90.38 U1.SHIELD@2
USB_SHIELD1
  Bottom 0.3: U2.SHIELD@5 214.1,87.91 arc45 214.39,88.61 U2.SHIELD@2 | U2.SHIELD@2 211.84,89.72 U2.SHIELD@1 209.59,89.91 209.41,90.09 U2.SHIELD@0 208.96,90.28 U2.SHIELD@3 207.12,89.57 U2.SHIELD | R91.1 216.62,90.5 C130.2 215.04,90.38 U2.SHIELD@2
USB_SHIELD2
  Bottom 0.3: U7.SHIELD@5 86.1,173.91 arc45 86.39,174.61 U7.SHIELD@2 | U7.SHIELD@2 83.84,175.72 U7.SHIELD@1 81.59,175.91 81.41,176.09 U7.SHIELD@0 80.96,176.28 U7.SHIELD@3 79.12,175.57 U7.SHIELD | R169.1 88.62,176.5 C238.2 87.04,176.38 U7.SHIELD@2
USB_SHIELD3
  Bottom 0.3: U10.SHIELD@5 214.1,173.91 arc45 214.39,174.61 U10.SHIELD@2 | U10.SHIELD@2 211.84,175.72 U10.SHIELD@1 209.59,175.91 209.41,176.09 U10.SHIELD@0 208.96,176.28 U10.SHIELD@3 207.12,175.57 U10.SHIELD | R247.1 216.62,176.5 C346.2 215.04,176.38 U10.SHIELD@2
USB_SHIELD4
  Bottom 0.3: U13.SHIELD@5 86.1,259.91 arc45 86.39,260.61 U13.SHIELD@2 | U13.SHIELD@2 83.84,261.72 U13.SHIELD@1 81.59,261.91 81.41,262.09 U13.SHIELD@0 80.96,262.28 U13.SHIELD@3 79.12,261.57 U13.SHIELD | R325.1 88.62,262.5 C454.2 87.04,262.38 U13.SHIELD@2
USB_SHIELD5
  Bottom 0.3: U16.SHIELD@5 214.1,259.91 arc45 214.39,260.61 U16.SHIELD@2 | U16.SHIELD@2 211.84,261.72 U16.SHIELD@1 209.59,261.91 209.41,262.09 U16.SHIELD@0 208.96,262.28 U16.SHIELD@3 207.12,261.57 U16.SHIELD | R403.1 216.62,262.5 C562.2 215.04,262.38 U16.SHIELD@2